# KiCad board yuiopPD.kicad_pcb
title: YUIOP/Pointing Device; date: 2023-01-09; rev: 1; company: KaoriYa
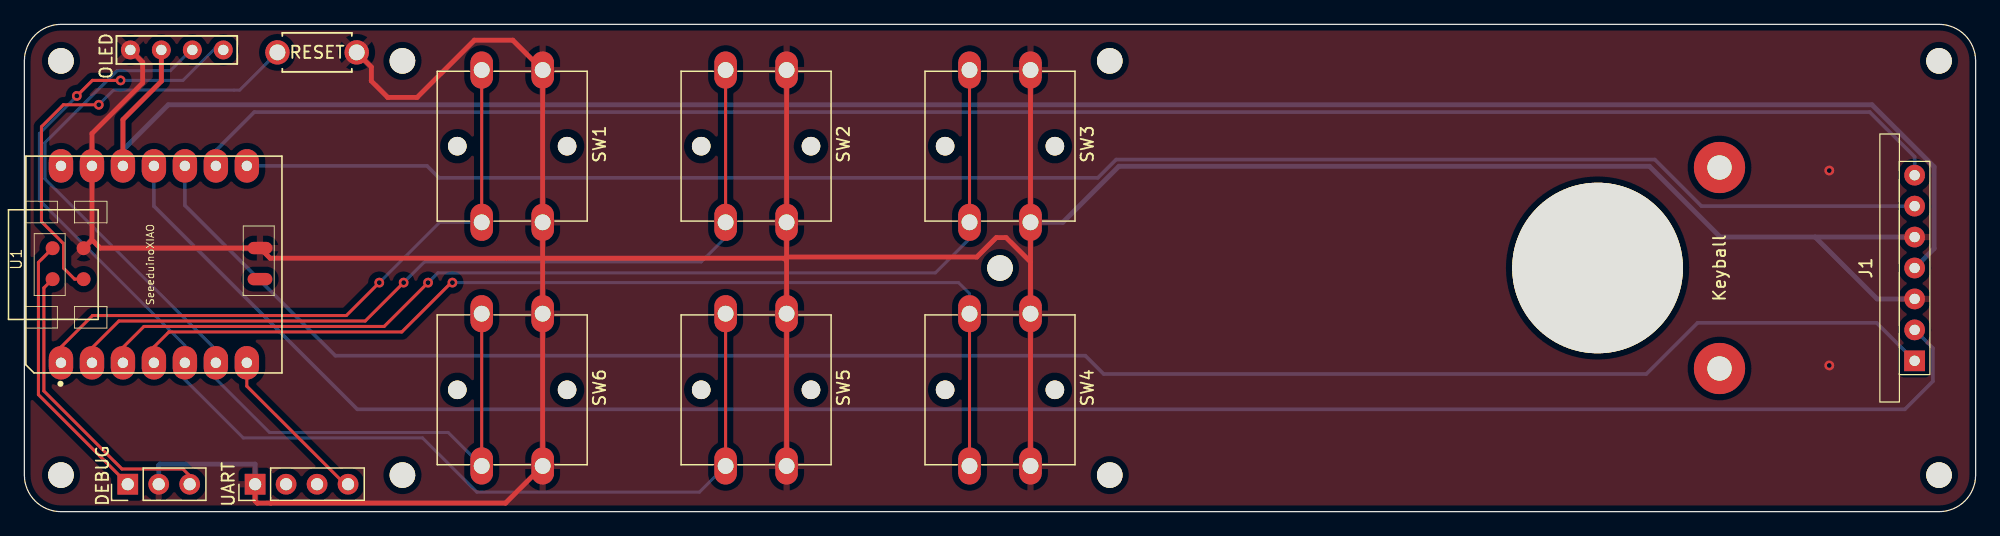
[diagram p0: board, top side]
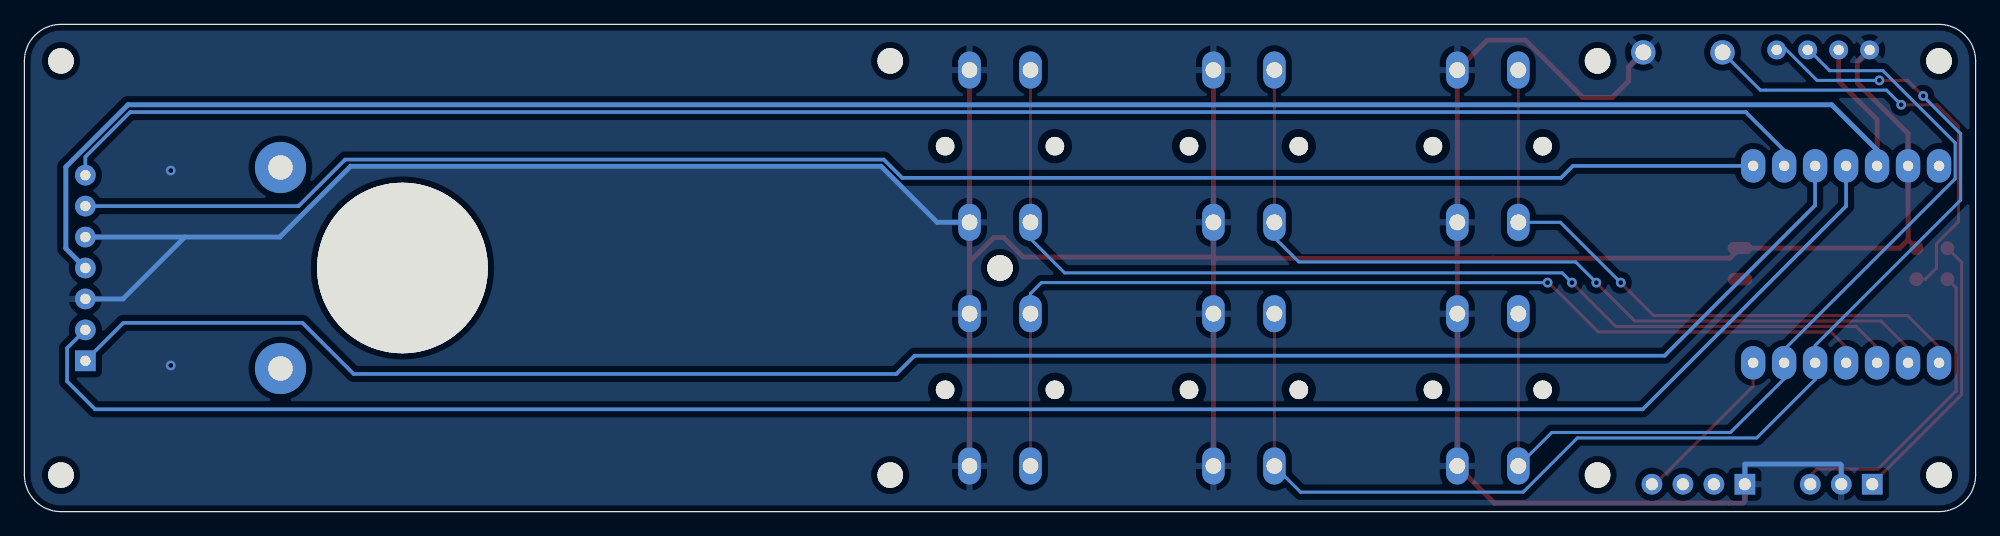
[diagram p1: board, bottom side, seen from below]

Outline 160 x 40 mm; copper layers: Top, Bottom. Coordinates in mm from the lower left corner of the outline.
Outline path: 0,37 arc(0.88,39.12) 3,40 157,40 arc(159.12,39.12) 160,37 160,3 arc(159.12,0.88) 157,0 3,0 arc(0.88,0.88) 0,3 0,37
Stack: Top 0.035mm / dielectric 1.51mm FR4 er 4.5 / Bottom 0.035mm

## Placement (name value [footprint] x y rotation side)
H1  MountingHole  [MountingHole_2.1mm]  3 37 0 top
H2  MountingHole  [MountingHole_2.1mm]  31 37 0 top
H3  MountingHole  [MountingHole_2.1mm]  89 37 0 top
H4  MountingHole  [MountingHole_2.1mm]  157 37 0 top
H5  MountingHole  [MountingHole_2.1mm]  80 20 0 top
H6  MountingHole  [MountingHole_2.1mm]  3 3 0 top
H7  MountingHole  [MountingHole_2.1mm]  31 3 0 top
H8  MountingHole  [MountingHole_2.1mm]  89 3 0 top
H9  MountingHole  [MountingHole_2.1mm]  157 3 0 top
J1  Keyball  [KeyballSensor_on_PCB]  155 20 90 top
J2  UART  [PinHeader_1x04_P2.54mm_Vertical]  18.92 2.25 90 top
J3  DEBUG  [PinHeader_1x03_P2.54mm_Vertical]  8.47 2.25 90 top
J4  OLED  [OLED_128x32]  12.5 37.9 180 top
RST1  SW_Push  [ResetSW_2_1side]  24 37.7 180 top
SW1  SW_Push  [SW_PUSH-12mm]  40 30 270 top
SW2  SW_Push  [SW_PUSH-12mm]  60 30 270 top
SW3  SW_Push  [SW_PUSH-12mm]  80 30 270 top
SW4  SW_Push  [SW_PUSH-12mm]  80 10 270 top
SW5  SW_Push  [SW_PUSH-12mm]  60 10 270 top
SW6  SW_Push  [SW_PUSH-12mm]  40 10 270 top
U1  SeeeduinoXIAO  [Seeeduino XIAO-MOUDLE14P-2.54-21X17.8MM-TH]  21.12 11.39 90 top

## Footprints (pads in the part's own frame, mm; a bottom-side part is the same pattern mirrored in y, then rotated)
KeyballSensor_on_PCB
  round 4.2 hole 2 unplated: (-8.25,16) (8.25,16)
  round 14 hole 14 unplated: (0,26)
  rect 1.7x1.7 hole 0.85: 1(-7.62,0)
  oval 1.7x1.7 hole 0.85: 2(-5.08,0) 3(-2.54,0) 4(0,0) 5(2.54,0) 6(5.08,0) 7(7.62,0)
MountingHole_2.1mm
  round 2.1 hole 2.1 unplated: (0,0)
OLED_128x32
  round 1.55 hole 0.85: 1(-3.81,0) 2(-1.27,0) 3(1.27,0) 4(3.81,0)
PinHeader_1x03_P2.54mm_Vertical
  rect 1.7x1.7 hole 1: 1(0,0)
  oval 1.7x1.7 hole 1: 2(0,-2.54) 3(0,-5.08)
PinHeader_1x04_P2.54mm_Vertical
  rect 1.7x1.7 hole 1: 1(0,0)
  oval 1.7x1.7 hole 1: 2(0,-2.54) 3(0,-5.08) 4(0,-7.62)
ResetSW_2_1side
  round 2 hole 1.3: 1(3.25,0) 2(-3.25,0)
Seeeduino XIAO-MOUDLE14P-2.54-21X17.8MM-TH
  oval 2.748x1.999 hole 0.85: 1(0.833,18.118) 2(0.833,15.578) 3(0.833,13.038) 4(0.833,10.498) 5(0.833,7.958) 6(0.833,5.418) 7(0.833,2.878) 8(16.998,2.878) 9(16.998,5.418) 10(16.998,7.958) 11(16.998,10.498) 12(16.998,13.038) 13(16.998,15.578) 14(16.998,18.118)
  oval 1.016x2.032 smd: 15(7.7,1.8) 16(10.25,1.8)
  round 1.143 smd: 17(7.699,18.804) 18(10.239,18.804) 19(7.699,16.264) 20(10.239,16.264)
SW_PUSH-12mm
  round 1.524 hole 1.8 unplated: (0,4.5) (0,-4.5)
  oval 3.048x1.85 hole 1.3: 1(-6.25,2.5) 1(6.25,2.5) 2(-6.25,-2.5) 2(6.25,-2.5)

## Nets
+3V3: J1.4 J4.3 U1.12
GND: J1.3 J1.5 J2.1 J3.2 J4.4 RST1.2 SW1.1 SW2.1 SW3.1 SW4.1 SW5.1 SW6.1 U1.13 U1.16 U1.20
/MISO: J1.1 U1.10
/MOSI: J1.2 U1.11
/NCS: J1.6 U1.8
/RESET: RST1.1 U1.19
/SCK: J1.7 U1.9
/SCL: J4.2 SW6.2 U1.6
/SDA: J4.1 SW5.2 U1.5
/SWCLK: J3.1 U1.18
/SWDIO: J3.3 U1.17
/UART_TX: J2.4 U1.7
Net-(SW1-Pad2): SW1.2 U1.1
Net-(SW2-Pad2): SW2.2 U1.2
Net-(SW3-Pad2): SW3.2 U1.3
Net-(SW4-Pad2): SW4.2 U1.4

Pads without a net: J2 2 3; U1 14 15

## Via types
v1: diameter 0.8, hole 0.4, Top to Bottom, 9 vias

## Routing (per net, layer and track width the routed paths; a pad name or vN(x,y) marks a point on that pad's centre or on a via; arc(x,y) is an arc through that point)
+3V3: length 173.4
  Top w0.4: U1.12 8.08,32.18 11.23,35.33 11.23,38
  Bottom w0.4: U1.12 8.08,29.68 11.8,33.4 151.5,33.4 156.6,28.3 156.6,21.6 J1.4
GND: length 340.8
  Top w0.4: 62.5,20.9 SW2.1 SW2.1 ; 62.5,20.9 62.5,20.6 ; 62.5,20.9 78.1,20.9 79.7,22.5 80.5,22.5 82.5,20.5 ; 82.5,20.5 SW4.1 SW4.1 ; 82.5,20.5 SW3.1 SW3.1 ; 62.5,20.6 SW5.1 SW5.1 ; 62.5,20.6 62.3,20.8 20.15,20.8 U1.16 6.22,21.64 5.54,22.31 ; 5.54,22.31 U1.13 5.54,31.04 9.7,35.2 9.7,36.89 J4.4 ; 5.54,22.31 U1.20 ; RST1.2 28.45,36.5 28.45,35.35 29.8,34 32.2,34 36.9,38.7 40.05,38.7 SW1.1 SW1.1 SW6.1 SW6.1 39.45,0.7 19.1,0.7 18.92,0.88 J2.1
  Bottom w0.4: 146.84,22.54 J1.5 ; 146.84,22.54 151.92,17.46 J1.3 ; 146.84,22.54 139.06,22.54 133.25,28.35 89.75,28.35 85.15,23.75 SW3.1 ; 11.02,2 11.02,3.81 11.1,3.9 18.92,3.9 18.92,2
  vias: v1(148,28) v1(148,12)
/MISO: length 153.8
  Bottom w0.3: U1.10 13.16,25.14 25.5,12.8 87,12.8 88.5,11.3 133,11.3 137.2,15.5 151.88,15.5 J1.1
/MOSI: length 161.9
  Bottom w0.3: U1.11 10.62,25.08 27.3,8.4 154.2,8.4 156.5,10.7 156.5,13.42 J1.2
/NCS: length 139.4
  Bottom w0.3: J1.6 137.52,25.08 133.7,28.9 89.52,28.9 88.02,27.4 34,27.4 33.02,28.38 U1.8
/RESET: length 36.3
  Top w0.25: v1(6.1,33.4) 3.2,33.4 1.4,31.6 1.4,23.81 3.21,22 3.21,19.99 4.12,19.08 U1.19
  Bottom w0.25: v1(6.1,33.4) 7.3,34.6 17.65,34.6 RST1.1
/SCK: length 144.9
  Bottom w0.3: J1.7 155,29.12 151.32,32.8 18.85,32.8 15.7,29.65 U1.9
/SCL: length 77.7
  Top w0.25: SW6.2 SW6.2
  Bottom w0.25: 13.77,38 11.97,36.2 7.6,36.2 1.68,30.28 1.68,27.32 15.7,13.3 U1.6 15.7,10.9 20.1,6.5 34.75,6.5 SW6.2
/SDA: length 104.7
  Top w0.25: SW5.2 SW5.2 ; v1(7.89,35.4) 5.58,35.4 v1(4.3,34.12)
  Bottom w0.25: SW5.2 55.35,1.6 37.1,1.6 32.65,6.05 17.95,6.05 13.16,10.84 U1.5 13.16,13.64 1.23,25.57 1.23,31.03 4.3,34.1 v1(4.3,34.12) ; v1(7.89,35.4) 13,35.4 15.6,38 16.31,38
/SWCLK: length 22.9
  Top w0.25: 8.47,2.28 1.15,9.6 1.15,20.46 U1.18
/SWDIO: length 25.3
  Top w0.25: U1.17 1.6,18.37 1.6,9.9 8,3.5 13,3.5 13.56,2.94 13.56,2
/UART_TX: length 13.7
  Top w0.25: U1.7 18.24,10.3 26.54,2
Net-(SW1-Pad2): length 52.5
  Top w0.25: U1.1 3,13.51 5.59,16.1 26.4,16.1 v1(29.1,18.8) ; SW1.2 SW1.2
  Bottom w0.25: SW1.2 34.05,23.75 v1(29.1,18.8)
Net-(SW2-Pad2): length 70.7
  Top w0.25: v1(31.1,18.8) 27.95,15.65 7.75,15.65 5.54,13.44 U1.2 ; SW2.2 SW2.2
  Bottom w0.25: v1(31.1,18.8) 32.8,20.5 55.5,20.5 57.5,22.5 SW2.2
Net-(SW3-Pad2): length 88.2
  Top w0.25: U1.3 8.08,13.48 9.8,15.2 29.5,15.2 v1(33.1,18.8) ; SW3.2 SW3.2
  Bottom w0.25: SW3.2 77.5,22.4 74.7,19.6 33.9,19.6 v1(33.1,18.8)
Net-(SW4-Pad2): length 84.9
  Top w0.25: v1(35.1,18.8) 35,18.8 30.95,14.75 11.85,14.75 10.62,13.52 U1.4 ; SW4.2 SW4.2
  Bottom w0.25: v1(35.1,18.8) 76.6,18.8 77.5,17.9 SW4.2

## Copper pours and planes (outline as drawn; the poured copper is in the pictures)
GND on Top, Bottom: 161,-1 -1,-1 -1,41 160,41
